# KiCad board st225_20427.kicad_pcb (continued)
## Routing (per net, layer and track width the routed paths; a pad name or vN(x,y) marks a point on that pad's centre or on a via; arc(x,y) is an arc through that point) (continued)
Net-(R66-Pad2): length 29.2
  Top w0.508: R66.2 104.46,81.28 101.85,81.28 v1(101.73,81.41) ; 105.7,58.67 104.78,58.67 103.12,60.33 v1(103.12,64.01)
  Bottom w0.508: v1(101.73,81.41) 101.98,81.15 101.98,76.2 102.74,75.44 102.74,73.15 101.35,71.76 101.35,65.79 v1(103.12,64.01)
Net-(R71-Pad2): length 130.2
  Top w0.254: v1(89.03,84.07) 89.28,83.82 96.65,83.82 v1(97.41,84.58) ; R72.1 107.21,84.2 104.75,84.2 R71.2 104.37,84.58 v1(100.46,84.58) ; v1(70.23,100.33) 68.71,101.85 56.13,101.85 55.5,101.22 46.86,101.22 44.7,103.38 U20.1 ; v1(108.58,56.64) 109.09,56.64 109.6,56.13 110.7,56.13
  Bottom w0.254: v1(108.58,56.64) 86.87,56.64 86.23,57.28 86.23,60.71 89.03,63.5 v1(89.03,84.07) 89.03,87.25 87,89.28 87,91.19 79.63,98.55 72.01,98.55 v1(70.23,100.33) ; v1(97.41,84.58) v1(100.46,84.58)
Net-(R74-Pad2): length 84.5
  Top w0.254: R74.2 107.98,78.87 v1(100.46,78.87) ; v1(87.12,94.74) v1(94.23,94.74) ; U20.2 45.97,103.25 47.37,101.85 54.99,101.85 55.75,102.62 69.85,102.62 v1(72.14,100.33)
  Bottom w0.254: v1(100.46,78.87) 98.55,78.87 96.14,81.28 96.14,92.84 v1(94.23,94.74) ; v1(87.12,94.74) 84.58,94.74 80.01,99.31 73.15,99.31 v1(72.14,100.33)
Net-(R88-Pad1): length 91.7
  Top w0.254: 100.3,115.19 R89.2 96.93,114.58 95.25,112.9 90.04,112.9 v1(89.66,112.52) ; v1(53.47,103.63) 52.71,103.63 51.05,105.28 51.05,105.58
  Bottom w0.254: v1(53.47,103.63) 58.04,108.2 58.04,119.76 52.45,125.35 52.45,126.37 53.21,127.13 53.98,127.13 55.24,125.86 60.58,125.86 61.47,124.97 61.47,123.7 67.69,117.48 72.14,117.48 75.18,120.52 85.75,120.52 88.39,117.88 88.39,115.82 89.66,114.55 v1(89.66,112.52)
Net-(U1-RST): length 73
  Top w0.254: v1(12.7,73.28) 12.57,73.15 U1.10 ; v1(32.77,116.97) 33.4,116.33 33.4,115.1
  Bottom w0.254: v1(32.77,116.97) 32.77,113.67 29.34,110.24 15.49,110.24 13.46,112.27 11.68,112.27 10.92,111.51 9.78,111.51 9.02,110.74 9.02,82.04 12.19,78.87 12.19,73.79 v1(12.7,73.28)
Net-(U1-~{EA}): length 25.5
  Top w0.254: 26.02,71.88 28.45,71.88 33.27,76.71 34.93,76.71 36.07,77.85 36.07,80.01 35.05,81.03 29.97,81.03 v1(28.89,82.11) 28.07,82.93 R90.1
Net-(U3-~{OE}): length 54.1
  Top w0.254: U13.3 34.67,129.54 v1(34.04,130.18) ; v1(15.49,112.01) 15.49,110.24 16.89,108.84 U3.22
  Bottom w0.254: v1(15.49,112.01) 16.64,110.87 29.21,110.87 31.24,112.9 31.24,114.17 29.21,116.21 29.21,117.35 22.48,124.08 22.48,126.62 23.49,127.64 30.48,127.64 33.02,130.18 v1(34.04,130.18)
Net-(U4-LE): length 41.3
  Top w0.254: v1(39.75,126.49) 38.48,127.76 U13.6 ; U4.11 29.59,109.47 28.45,108.33 v1(28.07,108.33)
  Bottom w0.254: v1(39.75,126.49) 37.85,128.4 34.67,128.4 34.04,127.76 32.26,127.76 28.7,124.21 28.7,122.43 30.73,120.4 33.15,120.4 34.29,119.25 34.29,113.67 28.96,108.33 v1(28.07,108.33)
Net-(U4-O4): length 18.9
  Top w0.254: v1(35.05,110.11) 35.69,110.11 36.7,111.12 41.27,111.12 43.18,109.22 45.47,109.22 45.97,109.73 U20.13 ; U4.12 v1(32.13,108.2)
  Bottom w0.254: v1(32.13,108.2) 33.15,108.2 v1(35.05,110.11)
Net-(U7-~{OE}): length 125.8
  Top w0.254: v1(13.34,27.31) 13.08,27.31 11.97,26.2 U7.20 ; U14.4 35.81,114.43 33.91,112.52 31.37,112.52 30.86,112.01 28.7,112.01 v1(27.69,113.03)
  Bottom w0.254: v1(13.34,27.31) 13.34,27.56 10.16,30.73 10.16,33.02 4.57,38.61 4.57,44.96 6.22,46.61 6.22,49.15 7.87,50.8 7.87,53.85 9.91,55.88 9.91,74.55 7.87,76.58 7.87,112.78 9.65,114.55 26.16,114.55 v1(27.69,113.03)
Net-(U8-EWC): length 84.2
  Top w0.254: v1(92.2,119.89) 92.73,119.89 93.22,120.38 ; v1(70.87,136.53) 70.23,135.89 70.23,134.75 69.47,133.99 61.6,133.99 60.71,134.87 60.71,135.89 59.44,137.16 46.23,137.16 v1(44.07,139.32) ; v1(34.67,136.53) 35.94,135.25 U13.11 ; 93.33,120.38 93.73,120.78 94.87,120.78 95.25,120.4 U8.13
  Bottom w0.254: v1(70.87,136.53) 70.23,135.89 70.23,127.51 74.29,123.44 88.65,123.44 v1(92.2,119.89) ; v1(34.67,136.53) 36.32,138.18 42.93,138.18 v1(44.07,139.32)
Net-(U8-MFMI): length 17.1
  Top w0.254: R89.1 90.32,115.19 C55.1 88.77,116.48 88.77,116.97 ; 88.77,116.97 88.77,117.48 90.04,118.75 90.04,120.65 90.55,121.16 90.55,122.94 91.19,123.57 U8.9 ; 88.77,116.97 v1(86.74,116.97)
Net-(U8-V1.5): length 8.2
  Top w0.254: 92.47,126.11 90.17,126.11 v1(89.79,125.73) 89.69,125.83 R85.1 R86.2
Net-(U8-V2.0): length 13.3
  Top w0.254: U8.6 90.04,127.38 88.49,128.93 R85.2 87.76,130.05 89.31,131.6 R87.1 89.31,136.26 C54.1
Net-(U8-~{MFMO}): length 83.8
  Top w0.254: U20.5 49.78,104.9 50.8,103.89 v1(50.8,103.76) ; U8.11 91.57,121.03 90.81,120.27 90.81,117.86 v1(89.79,116.84)
  Bottom w0.254: v1(89.79,116.84) 89.79,117.09 85.85,121.03 74.55,121.03 71.63,118.11 67.94,118.11 61.98,124.08 61.98,125.48 60.96,126.49 56.13,126.49 54.74,127.89 52.58,127.89 51.69,127 51.69,124.08 57.28,118.49 57.28,113.67 57.4,113.54 57.4,108.71 53.85,105.16 52.45,105.16 51.05,103.76 v1(50.8,103.76)
Net-(U9-C1): length 8.5
  Top w0.254: U9.5 96.52,146.3 v1(95.63,145.42) 94.87,144.65 94.87,142.62 95.95,141.54 C36.1
Net-(U9-C2): length 5.3
  Top w0.254: U9.6 97.79,145.67 v1(98.04,145.42) 98.04,144.78 96.77,143.51 C36.2
Net-(U9-CPO): length 17.8
  Top w0.254: v1(96.77,149.86) 96.27,149.86 95.25,148.84 U9.4 ; C48.1 99.91,144.4 101.73,144.4 v1(101.85,144.53) 101.85,141.22 102.72,140.36 R80.2
  Bottom w0.254: v1(101.85,144.53) 96.77,149.61 v1(96.77,149.86)
Net-(U9-IBSET): length 12.2
  Top w0.254: U9.2 91.19,150.88 90.55,151.51 90.55,152.78 88.67,154.66 C52.2 89.53,155.93 89.53,158.78 R83.1
Net-(U9-IRSET): length 14.4
  Top w0.254: 88.41,151.38 88.77,151.38 89.15,151 89.15,147.69 R84.1 ; R84.1 89.25,145.12 v1(87.63,143.51) ; R84.1 91.25,149.61 U9.3
Net-(U9-PG2): length 16.3
  Top w0.254: U9.1 92.71,152.15 90.81,154.05 90.81,161.16 89.31,162.66 R82.1 89.31,162.84 89.79,163.32 90.68,163.32 v1(91.82,164.47)
Net-(U9-PG3): length 15.4
  Top w0.254: U9.18 v1(95.25,158.75) 95.25,160.63 C50.1 95.78,161.14 96.39,160.53 97.16,160.53 v1(97.28,160.66) 97.28,162.56 97.79,163.07 100.58,163.07 101.47,162.18 102.32,162.18 102.96,161.54
Net-(U9-RVCO): length 7.6
  Top w0.254: U9.7 99.06,146.81 99.95,145.92 103.21,145.92 103.38,146.09 103.38,146.94 v1(103.89,147.45)
Net-(U10-L1): length 17.9
  Top w0.254: 60.71,158.75 60.71,156.59 58.67,154.56 v1(58.67,154.31)
  Top w0.508: v1(58.67,154.31) 58.8,154.18 U10.3 ; R43.2 61.11,165.13 59.44,163.45 59.44,160.27 60.73,158.98 R49.2
  vias: v1(62.99,166.5)
Net-(U10-L2): length 59
  Top w0.254: U10.2 60.07,154.43 62.1,156.46 62.1,160.02 v1(62.87,160.78)
  Top w0.508: R62.2 60.73,161.65 61.6,160.78 v1(62.87,160.78)
  Top w0.762: R50.2 48.62,189.89 v1(49.91,188.6)
  Bottom w1.016: v1(42.67,190.75) 42.8,190.63 43.56,190.63 44.45,189.74 46.48,189.74 47.62,190.88 48.51,190.88 49.91,189.48 v1(49.91,188.6) 49.91,186.94 59.44,177.42 59.44,162.56 61.21,160.78 v1(62.87,160.78)
Net-(U10-L3): length 66.2
  Top w0.254: R37.2 67.92,161.14 66.8,160.02 66.8,153.42 v1(65.79,152.4) 64.26,152.4 63.88,152.02 U10.19
  Top w0.508: R32.2 45.34,186.94 v1(46.86,185.42) ; R37.2 67.92,161.95 66.93,162.94 66.68,162.94 v1(65.66,163.96)
  Top w0.762: v1(51.82,181.23) 51.82,179.83 52.2,179.45 52.2,179.4 52.55,179.04 54.48,179.04
  Bottom w0.508: 65.66,163.83 v1(65.66,163.96)
  Bottom w1.016: 65.66,163.83 65.66,160.15 63.88,158.37 60.45,158.37 57.53,161.29 57.53,176.28 52.58,181.23 v1(51.82,181.23) 51.82,181.99 48.39,185.42 v1(46.86,185.42)
Net-(U10-L4): length 29.5
  Top w0.254: 69.09,164.21 67.18,166.12 66.17,166.12 65.41,166.88 v1(65.41,168.4) ; v1(67.82,151.13) 67.18,150.5 65.27,150.5 65.14,150.62
  Top w0.508: v1(67.82,151.13) 67.82,157.89 R38.2 67.92,158.72 69.22,160.02 69.22,164.08 69.09,164.21
  Bottom w1.016: v1(65.41,168.4) v1(69.47,173.48)
Net-(U10-~{F}/H): length 11.8
  Top w0.254: R64.2 68.22,141.99 65.79,141.99 ; U10.11 61.34,142.49 61.85,141.99 65.79,141.99 ; 65.79,141.99 v1(65.79,143.51)
Net-(U13-Pad4): length 8.9
  Top w0.254: 34.67,120.1 34.67,122.94 v1(35.05,123.32) 35.05,124.97 35.94,125.86 U13.4
Net-(U13-Pad8): length 207.2
  Top w0.254: v1(84.58,31.75) 87.12,31.75 89.66,34.29 97.03,34.29 97.54,34.8 100.2,34.8 100.84,34.16 U18.5 100.84,32.26 98.93,30.35 98.93,29.84 99.57,29.21 99.57,27.31 100.84,26.04 ; v1(61.6,41.4) 63.12,42.93 v1(63.12,55.88) ; 100.84,26.04 103.38,26.04 ; 100.84,26.04 U17.5 100.84,24.3 99.57,23.03 99.57,19.73 ; 103.38,26.04 105.28,26.04 105.92,25.4 U17.1 105.92,22.1 105.41,21.59 104.01,21.59 103.38,20.96 103.38,19.73 ; 103.38,26.04 103.38,30.48 105.92,33.02 U18.1 ; v1(37.97,135.38) 39.75,133.6 U13.8 ; v1(59.18,90.42) 58.8,90.81 49.4,90.81 48.77,91.44 46.35,91.44 45.59,90.68 43.43,90.68 v1(43.18,90.93)
  Bottom w0.254: v1(43.18,90.93) 43.18,93.6 43.69,94.11 43.69,96.39 43.31,96.77 42.29,96.77 41.4,97.66 41.4,115.95 42.04,116.59 42.04,117.6 39.62,120.02 39.62,121.54 40.26,122.17 41.66,122.17 42.93,123.44 42.93,128.65 42.42,129.16 42.42,131.44 40.26,133.6 38.99,133.6 37.97,134.62 v1(37.97,135.38) ; v1(63.12,55.88) 58.55,60.45 58.55,89.79 v1(59.18,90.42) ; v1(61.6,41.4) 62.36,42.16 72.39,42.16 82.8,31.75 v1(84.58,31.75)
Net-(U15-Pad10): length 227.6
  Top w0.254: v1(70.1,59.06) 59.31,59.06 56.26,62.1 50.93,62.1 48.64,59.82 48.64,45.72 45.72,42.8 v1(45.72,40.26) ; 58.29,21.97 56.39,21.97 55.75,22.61 54.1,22.61 ; 58.29,21.97 U15.13 ; 58.29,21.97 U15.2 U16.13 58.29,29.46 58.55,29.72 61.6,29.72 61.98,29.34 63.63,29.34 64.26,29.97 64.26,31.37 61.98,33.66 v1(61.85,33.66) ; U15.10 54.48,20.7 54.1,21.08 54.1,22.61 ; U16.10 54.48,27.81 v1(53.47,26.8) 54.48,25.78 U15.5 54.48,23.75 54.1,23.37 54.1,22.61 ; v1(92.46,86.36) 91.95,86.87 81.41,86.87 79.88,85.34 v1(77.6,85.34) ; v1(132.84,127.64) 132.08,128.4 U25.4
  Bottom w0.254: v1(132.84,127.64) 131.19,127.64 128.27,124.71 128.27,123.06 127.89,122.68 126.62,122.68 124.08,120.14 120.27,120.14 119.76,119.63 117.98,119.63 117.09,118.75 106.68,118.75 106.17,119.25 104.27,119.25 95.88,110.87 95.88,108.33 93.73,106.17 93.73,104.83 89.41,100.52 89.41,98.68 90.81,97.28 90.81,92.08 93.22,89.66 93.22,87.12 v1(92.46,86.36) ; v1(70.1,59.06) 76.2,59.06 77.6,60.45 v1(77.6,85.34) ; v1(45.72,40.26) 45.72,40.51 47.88,42.67 48.64,42.67 50.04,41.28 57.66,41.28 61.09,37.85 61.09,34.42 v1(61.85,33.66)
Net-(U21-UNK1): length 9.3
  Top w0.254: U21.1 73.15,119.38 74.55,120.78 77.12,120.78 R19.2 78.13,121.01 78.23,120.9 78.23,118.49 v1(78.49,118.24)
Net-(U21-UNK2): length 45.3
  Top w0.254: U21.14 61.98,128.02 63.88,129.92 v1(63.88,130.18) ; R57.1 72.01,166.5 72.64,165.86 72.64,163.96 v1(73.41,163.19)
  Bottom w0.254: v1(63.88,130.18) 63.88,130.43 63.12,131.19 63.12,136.65 72.52,146.05 72.52,162.31 v1(73.41,163.19)
Net-(U21-UNK3): length 46.7
  Top w0.254: U21.15 60.71,128.27 v1(61.85,129.41) ; v1(74.68,164.59) 74.68,165.96 R35.1
  Bottom w0.254: v1(61.85,129.41) 61.85,136.14 71.88,146.18 71.88,163.96 72.52,164.59 v1(74.68,164.59)
Net-(U21-UNK4): length 52.2
  Top w0.254: v1(76.58,164.47) 78.71,166.6 R34.1 ; v1(59.94,129.79) 59.44,129.29 U21.16
  Bottom w0.254: v1(59.94,129.79) 59.94,135 71.25,146.3 71.25,164.59 72.77,166.12 74.93,166.12 v1(76.58,164.47)
Net-(U21-UNK6): length 59.4
  Top w0.254: R33.1 82.27,164.47 v1(78.36,164.47) ; U21.18 56.65,128.15 v1(58.04,129.54)
  Bottom w0.254: v1(78.36,164.47) 78.36,164.59 75.82,167.13 72.64,167.13 70.74,165.23 70.74,146.56 59.94,135.76 59.56,135.76 58.04,134.24 v1(58.04,129.54)
Net-(U21-~{DC_UNSAFE}): length 32.6
  Top w0.254: C22.1 R18.2 66.8,131.6 66.8,130.68 v1(66.29,130.18) ; v1(67.56,121.92) 67.56,116.46 64.26,113.16 62.87,113.16 62.61,112.9 60.96,112.9 60.71,112.65 U21.31
  Bottom w0.254: v1(67.56,121.92) 66.93,121.92 63.88,124.97 63.88,126.24 66.29,128.65 v1(66.29,130.18)
Net-(U22-IWR1): length 41.6
  Top w0.254: R11.2 81.05,161.26 80.26,162.05 v1(80.26,162.69) ; v1(74.68,138.56) 73.66,137.54 72.9,137.54 ; v1(78.36,138.56) 78.36,140.97 v1(77.47,141.86)
  Bottom w0.254: v1(80.26,162.69) 79.38,163.58 75.06,163.58 74.42,162.94 74.42,160.53 77.34,157.61 77.34,148.59 78.36,147.57 78.36,143.51 77.47,142.62 v1(77.47,141.86) ; v1(74.68,138.56) v1(78.36,138.56)
Net-(U22-IWR2): length 15.9
  Top w0.254: R8.2 74.8,154.81 v1(75.18,154.43) ; v1(74.68,146.69) 74.04,146.05 74.04,144.4 73.53,143.89 U22.14
  Bottom w0.254: v1(74.68,146.69) 73.53,147.83 73.53,152.78 v1(75.18,154.43)
Net-(U22-VCTAP): length 15.8
  Top w0.254: U22.1 82.55,136.02 82.55,127.64 v1(82.93,127.25) 82.93,126.24 83.34,125.83 R44.2 84.2,125.7 C2.1
Net-(U22-VHS): length 115.7
  Top w0.254: v1(74.68,135.89) 74.29,136.27 U22.20 ; U33.26 127.25,156.85 128.02,156.08 128.02,153.42 v1(127.25,152.65)
  Bottom w0.254: v1(127.25,152.65) 127.25,151.13 123.95,147.83 120.01,147.83 119,148.84 119,155.83 119.63,156.46 119.63,159.89 118.75,160.78 117.6,160.78 116.46,159.64 111.25,159.64 110.24,160.66 105.66,160.66 103.25,163.07 96.39,163.07 93.6,160.27 93.6,157.86 90.17,154.43 90.17,132.33 90.81,131.7 90.81,128.4 88.14,125.73 82.17,125.73 74.68,133.22 v1(74.68,135.89)
Net-(U22-~{HDSEL4}): length 20.1
  Top w0.254: 72.9,142.62 73.41,142.62 74.68,143.89 74.68,144.78 75.44,145.54 76.58,145.54 77.09,145.03 77.09,143.64 76.33,142.88 76.33,141.35 77.34,140.34 77.34,137.03 77.85,136.53 v1(77.85,134.37) 77.85,132.74 R30.1
Net-(U23-Mr): length 11.1
  Top w0.254: U23.13 21.97,119.38 v1(20.7,118.11) U23.1 20.7,113.92 21.08,113.54 22.73,113.54 24.03,112.24 R24.1
Net-(U24A-D): length 8.9
  Top w0.254: U24.6 27.05,127.64 26.67,127.25 22.35,127.25 21.97,127.64 U24.2 21.97,129.79 v1(21.59,130.18)
Net-(U24B-Q): length 165.6
  Top w0.254: v1(28.96,130.94) 30.35,129.54 30.35,127.51 31.88,125.98 31.88,123.44 31.24,122.81 v1(30.1,122.81) ; U26.12 117.73,127 118.36,126.37 v1(118.36,121.92) ; v1(60.45,94.23) 49.53,94.23 49.15,94.62 45.59,94.62 43.18,92.2 40.01,92.2 36.32,95.89 v1(35.18,95.89) ; v1(25.65,135.38) 25.78,135.38 27.05,134.11 U24.9 ; v1(90.3,104.27) v1(85.98,104.27)
  Bottom w0.254: v1(85.98,104.27) 85.98,108.59 85.22,109.35 81.53,109.35 81.03,108.84 74.55,108.84 74.04,109.35 72.14,109.35 62.99,100.2 62.99,96.77 v1(60.45,94.23) ; v1(25.65,135.38) 25.65,134.24 v1(28.96,130.94) ; v1(30.1,122.81) 30.23,122.68 30.23,121.92 30.99,121.16 33.27,121.16 34.72,119.71 34.72,114.68 36.7,112.7 36.7,97.41 v1(35.18,95.89) ; v1(118.36,121.92) 117.6,121.92 116.2,120.52 107.7,120.52 107.31,120.9 103.12,120.9 94.23,112.01 94.23,109.09 90.3,105.16 v1(90.3,104.27)
Net-(U24B-~{S}): length 128.7
  Top w0.254: v1(21.97,136.02) 22.48,136.53 24.26,136.53 24.64,136.14 24.64,134.75 25.78,133.6 U24.10 ; v1(44.07,129.79) 48.01,125.86 53.59,125.86 v1(53.72,125.73) ; U29.13 116.68,114.65 115.82,113.79 108.2,113.79 v1(107.7,114.3) 104.9,117.09 96.52,117.09 95.38,115.95 95.38,114.43 94.62,113.67 88.9,113.67 v1(87.76,112.52)
  Bottom w0.254: v1(21.97,136.02) 23.24,137.29 28.19,137.29 28.96,136.53 28.96,135.25 29.34,134.87 30.1,134.87 30.86,135.64 35.05,135.64 36.96,137.54 42.16,137.54 44.2,135.51 44.2,129.92 v1(44.07,129.79) ; v1(87.76,112.52) 87.76,117.48 85.6,119.63 75.69,119.63 73.03,116.97 67.56,116.97 60.96,123.57 60.96,124.46 60.2,125.22 54.23,125.22 v1(53.72,125.73)
Net-(U25-Pad2): length 113.3
  Top w0.254: 110.7,57.4 109.98,57.4 v1(108.58,58.8) ; U25.2 131.57,125.86 v1(132.97,124.46) ; v1(122.05,94.62) 121.03,93.6 121.03,73.15 v1(119.51,71.63)
  Bottom w0.254: v1(108.58,58.8) 107.44,59.94 99.19,59.94 98.68,60.45 98.68,62.48 99.19,62.99 104.52,62.99 105.54,64.01 105.54,66.8 104.9,67.44 103.25,67.44 102.74,67.95 102.74,69.72 103.25,70.23 108.08,70.23 109.09,69.22 114.81,69.22 115.57,69.98 115.57,71.25 116.08,71.76 118.49,71.76 118.62,71.63 v1(119.51,71.63) ; v1(122.05,94.62) 122.05,105.79 124.71,108.46 129.16,108.46 129.79,109.09 129.79,111.76 132.97,114.94 v1(132.97,124.46)
Net-(U25-Pad3): length 16.3
  Top w0.254: v1(120.27,131.83) 121.28,130.81 U26.6 122.81,130.81 v1(124.08,132.08) 125.09,133.1 126.87,133.1 127.51,132.46 127.51,132.08 129.67,129.92 129.67,127.64 130.17,127.13 U25.3
Net-(U25-Pad8): length 5.2
  Top w0.254: U26.5 123.44,129.54 v1(124.08,130.18) 124.08,130.56 125.73,132.21 U25.8
Net-(U25-Pad11): length 6.2
  Top w0.254: U26.3 124.08,127 125.48,128.4 U25.11 127,128.4 v1(127.63,127.76)
Net-(U26-Pad11): length 6.1
  Top w0.254: U26.11 117.47,128.27 118.75,127 v1(119.63,127) 119.82,127 121.09,125.73 U26.2
Net-(U28-12V): length 18.9
  Top w0.508: U28.14 102.87,103.25 103.89,104.27 v1(104.52,104.27) 103,105.79 95.38,105.79 94.72,106.45 C21.1 92.22,106.45 91.82,106.05 90.45,106.05 R15.2
Net-(U28-COIL_A): length 16
  Top w0.254: v1(99.82,104.27) 99.06,103.51 U28.11
  Top w0.508: R69.1 105.44,99.59 v1(106.93,101.09)
  Bottom w0.254: v1(99.82,104.27) 101.22,105.66 105.16,105.66 106.93,103.89 v1(106.93,101.09)
Net-(U28-COIL_B): length 4.8
  Top w0.508: v1(101.98,104.14) 101.6,103.76 U28.13 101.6,99.72 R70.1
Net-(U28-H-OUT): length 17.5
  Top w0.254: v1(98.55,109.35) 98.04,108.84 90.68,108.84 89.69,109.83 R14.1 ; v1(103.12,109.98) 102.87,110.24 U28.3
  Bottom w0.254: v1(98.55,109.35) 100.08,110.87 102.23,110.87 v1(103.12,109.98)
Net-(U28-SENSE): length 28.2
  Top w0.254: v1(97.92,104.27) 97.79,104.14 97.79,102.49
  Top w0.508: 112.14,105.41 v1(107.57,105.41) ; 112.14,105.41 113.82,105.41 R23.2 ; 112.14,105.41 112.14,112.01 R17.2
  Bottom w0.254: v1(107.57,105.41) 106.3,106.68 100.33,106.68 v1(97.92,104.27)
Net-(U29A-Cext): length 10
  Top w0.254: U29.14 117.95,113.95 118.24,113.67 121.03,113.67 122.17,112.52 123.5,112.52 C23.2 123.82,110.87 v1(123.57,110.62)
Net-(U29A-RCext): length 11.2
  Top w0.254: U29.15 119.22,115.66 119.76,116.21 122.36,116.21 C23.1 123.89,114.74 127.25,111.38 R36.2
Net-(U30A-C): length 21.3
  Top w0.254: U30.3 112.9,127 110.24,129.67 110.24,132.46 111.12,133.35 114.05,133.35 115.19,134.49 115.19,135.38 116.33,136.53 116.33,137.92 115.32,138.94 v1(115.32,139.7) 113.97,141.04 U31.6
Net-(U31B-~{R}): length 51.9
  Top w0.254: 126.15,129.67 v1(127.76,129.67) ; U31.15 107.62,135.96 106.55,137.03 v1(106.55,137.16)
  Bottom w0.254: v1(127.76,129.67) 126.49,128.4 126.49,126.11 124.84,124.46 122.3,124.46 120.9,125.86 118.11,125.86 115.19,122.94 108.71,122.94 107.19,124.46 107.19,129.79 108.33,130.94 110.24,130.94 110.74,130.43 111.76,130.43 112.39,131.06 112.39,131.95 111.25,133.1 108.84,133.1 106.55,135.38 v1(106.55,137.16)
Net-(U32-12V): length 22.3
  Top w0.508: v1(94.87,174.12) 94.87,174.37 95.38,174.88 U32.10 ; R75.1 109.07,181.36 106.55,181.36 106.46,181.27 C1.1 106.46,179.92 v1(106.55,179.83)
  Bottom w1.016: v1(94.87,174.12) 100.84,174.12 v1(106.55,179.83)
Net-(U32-DI+): length 30.5
  Top w0.254: U32.5 92.84,168.76 R46.2 93.98,167.89 97.16,164.72 107.44,164.72 108.46,165.74 109.6,165.74 110.11,165.23 110.11,164.47 111.4,163.17 C6.1 112.12,163.17 113.28,164.34 114.3,164.34 115.44,163.19 U33.13
Net-(U32-DI-): length 27.5
  Top w0.254: U33.12 115.44,164.47 114.66,165.25 C6.2 110.98,165.25 109.85,166.37 108.2,166.37 107.19,165.35 97.54,165.35 96.8,166.09 96.8,167.89 96.52,167.89 94.11,170.31 U32.6
Net-(U32-DO+): length 6.5
  Top w0.254: U32.7 95.38,171.45 96.14,172.21 97.66,172.21 99.82,174.37 C5.1
Net-(U32-DO-): length 3.5
  Top w0.254: U32.8 100.12,170.98 C4.1
Net-(U32-G+): length 4.5
  Top w0.254: C19.1 87.88,168.02 90.3,170.43 U32.3
Net-(U32-G-): length 3.4
  Top w0.254: C19.2 91.57,169.13 U32.4
Net-(U33A-VCT): length 77
  Top w0.254: v1(84.2,130.81) 84.33,130.68 R44.1 ; v1(125.22,159.39) 126.49,158.12 U33.27
  Bottom w0.254: v1(84.2,130.81) 89.66,136.27 89.66,154.81 92.96,158.12 92.96,160.53 96.14,163.7 103.38,163.7 105.79,161.29 110.62,161.29 111.76,160.15 116.08,160.15 117.35,161.42 118.87,161.42 120.27,160.02 120.27,157.99 120.78,157.48 122.05,157.48 123.95,159.39 v1(125.22,159.39)
Net-(U33A-WCURR): length 86.1
  Top w0.254: v1(75.95,162.31) 75.95,161.57 R8.1 75.03,160.66 77.82,160.66 R11.1 ; R7.2 117.45,170.79 115.95,169.29 v1(115.95,169.04) 118.11,166.88 U33.11
  Bottom w0.254: v1(115.95,169.04) 115.82,169.16 97.92,169.16 90.93,162.18 90.93,160.15 87.12,156.34 87.12,148.84 81.28,143 79.63,143 78.99,143.64 78.99,148.08 78.23,148.84 78.23,160.02 v1(75.95,162.31)
Net-(U33B-+ON): length 10.9
  Top w0.254: U33.4 126.49,164.47 v1(125.22,163.19) ; L5.2 v1(125.35,170.05)
  Bottom w0.254: v1(125.35,170.05) 125.35,163.32 v1(125.22,163.19)
Net-(U33B--ON): length 17.2
  Top w0.254: R4.2 v1(125.48,173.23) ; v1(125.22,161.29) 125.22,161.67 126.75,163.19 U33.3
  Bottom w0.254: v1(125.22,161.29) 124.21,162.31 124.21,171.58 125.48,172.85 v1(125.48,173.23)
Net-(U33B-DI+): length 38.6
  Top w0.254: U33.1 128.52,160.66 v1(129.92,162.05) 129.79,162.18 129.79,165.1 130.56,165.86 130.56,166.88 131.7,168.02 131.7,174.88 130.05,176.53 122.94,176.53 121.39,178.08 R3.2 120.5,177.8 117.45,177.8 C7.1 115.57,177.17 113.15,174.61 L4.2
Net-(U33B-DI-): length 36.1
  Top w0.254: L3.2 114.43,171.83 C7.2 117.48,174.98 R3.1 121.39,174.98 122.3,175.9 129.79,175.9 131.06,174.62 131.06,168.28 v1(129.16,166.37) 129.16,162.69 128.4,161.93 U33.2
Net-(U33B-DO+): length 37.1
  Top w0.254: C13.1 127.29,188.81 128.02,188.09 128.02,182.88 127.41,182.27 C12.1 125.32,181.61 ; U33.7 123.19,165.23 122.55,164.59 120.01,164.59 v1(119.13,163.7)
  Top w0.508: v1(123.44,181.61) 125.32,181.61
  Bottom w0.254: v1(119.13,163.7) 119.13,164.72 122.05,167.64 122.05,180.21 v1(123.44,181.61)
Net-(U33B-DO-): length 38.1
  Top w0.254: v1(121.67,163.7) 122.68,163.7 124.46,165.48 U33.6 ; 129.92,182.25 C11.1 131.55,182.27 131.57,182.25 132.08,182.75 132.08,188.21 133.13,189.27 C10.1
  Top w0.508: C11.1 128.78,181.13 128.78,179.96 v1(128.52,179.71)
  Bottom w0.254: v1(128.52,179.71) 124.21,179.71 122.55,178.05 122.55,164.59 v1(121.67,163.7)
Net-(U33C-+RDO): length 4.9
  Top w0.254: U33.21 120.65,152.65 v1(120.4,152.4) 119.13,151.13 C15.2
Net-(U33C-DI+): length 32.9
  Top w0.254: v1(119.13,168.66) 120.65,167.13 U33.9 ; v1(123.44,187.33) 123.82,187.33 125.63,185.52 C12.2
  Top w0.508: C12.2 124.18,187.33 v1(123.44,187.33) 123.57,187.33 123.95,187.71 123.95,189.27 C13.2
  Bottom w0.254: v1(123.44,187.33) 119.13,183.01 v1(119.13,168.66)
Net-(U33C-DI-): length 31.8
  Top w0.254: v1(121.03,168.66) 121.92,167.77 U33.8
  Top w0.508: C10.2 129.79,189.27 129.79,187.96 v1(129.16,187.96) 129.16,186.28 C11.2
  Bottom w0.254: v1(121.03,168.66) 121.03,181.74 122.3,183.01 124.21,183.01 v1(129.16,187.96)
Net-(U33C-TMG1): length 14.7
  Top w0.254: U33.22 121.92,151.89 121.03,151 v1(121.03,149.23) 120.78,148.97 119.76,148.97 119.51,148.72 C14.1 117.75,147.45 115.7,147.45 114.45,148.69 R5.2
unconnected-(U5-INPUT-Pad9): length 3.2
  Top w0.254: v1(28.83,60.58) 28.57,60.33 U5.9
unconnected-(U5-OUTPUT-Pad10): length 3.5
  Top w0.254: U5.10 27.3,60.45 v1(26.92,60.83)
unconnected-(U9-PCT-Pad9): length 1.9
  Top w0.254: v1(100.08,149.86) 100.33,149.61 U9.9
unconnected-(U21-~{DRV_SEL_OUT}-Pad9): length 3.6
  Top w0.254: U21.9 68.33,124.59 v1(68.96,123.95)

## Copper pours and planes (outline as drawn; the poured copper is in the pictures)
+5V on Top: 37.85,111.76 42.16,111.76 43.18,110.24 45.21,110.24 45.21,111.63 46.48,111.63 47.5,113.16 49.4,113.16 49.4,115.32 43.69,115.32 41.15,112.9 38.23,112.9 37.72,113.16 37.46,113.16 37.21,112.9 37.21,112.14
+5V on Top: 89.66,129.67 91.06,129.67 93.6,132.21 96.77,132.21 97.54,131.32 97.54,129.67 98.04,129.67 98.04,131.32 99.95,133.35 105.66,133.35 106.17,133.86 110.24,133.86 110.62,134.24 110.62,134.75 110.24,135.13 105.66,135.13 105.16,134.62 91.69,134.62 91.69,133.6 91.19,133.6 90.81,133.1 90.81,131.19 90.42,130.81 89.66,130.81 89.28,130.56 89.28,129.92
+5V on Top: 19.56,131.19 20.95,132.21 20.95,135 19.94,136.4 19.43,136.27 18.41,135.13 18.41,131.83 19.18,131.19
+5V on Top: 107.82,124.71 110.62,124.71 110.62,120.65 109.35,120.65 109.35,121.16 107.82,122.56
+5V on Top: 29.59,98.43 29.59,97.41 28.07,96.52 28.07,91.31 27.43,89.92 27.43,87.25 31.37,87.25 31.37,90.55 30.35,91.57 30.35,98.43
+5V on Top: 60.83,16.51 61.47,16.51 62.23,17.02 62.23,20.57 63.12,21.46 64.26,21.46 66.17,19.69 66.29,19.56 67.44,19.56 67.44,19.94 66.55,19.94 64.9,21.46 64.9,25.65 64.52,26.04 62.61,26.04 61.98,26.67 61.98,27.56 59.69,29.34 59.18,29.34 59.18,28.32 59.69,28.32 61.21,27.18 61.21,24.38 59.31,22.86 59.31,19.43 59.82,19.43 59.82,22.48 61.34,23.88 62.36,23.88 62.61,23.62 62.61,22.1 60.96,20.32 60.96,18.03 60.2,17.65 60.2,16.76
+5V on Top: 21.08,110.74 21.08,112.78 18.8,112.78 18.8,115.7 19.43,116.21 19.43,119.76 21.08,119.76 21.08,121.41 28.57,121.41 29.34,120.65 30.73,120.65 31.12,119.89 32.51,119.89 32.51,121.41 33.66,121.41 33.66,125.35 32.77,125.35 32.77,122.68 31.88,122.68 31.12,121.79 29.72,121.79 28.96,122.68 28.07,122.68 28.07,123.57 28.45,123.57 28.45,125.73 26.42,125.73 26.42,122.68 21.46,122.68 21.46,125.1 20.07,125.1 20.07,125.73 17.27,125.73 17.27,113.41 18.16,112.52 18.16,110.62 20.95,110.62
+5V on Top: 21.46,89.66 15.37,89.66 13.34,91.57 13.34,93.6 11.56,93.6 10.8,92.96 10.8,90.81 11.43,90.17 11.43,88.65 10.54,87.5 8.51,87.5 8.13,87.12 8.13,82.68 8.51,82.3 9.4,82.3 10.29,80.14 17.53,80.01 17.91,80.52 19.3,80.52 19.56,80.14 19.56,77.47 20.32,77.47 20.32,80.52 19.81,81.15 16,81.15 14.86,82.42 11.68,82.42 11.68,86.23 13.97,88.52 21.46,88.52
+5V on Top: 107.19,151.89 108.2,151 115.06,151 115.06,153.04 115.7,153.04 117.09,154.43 118.49,154.43 118.49,156.21 117.73,156.21 115.19,153.67 108.33,153.67 107.19,152.78
